# KiCad board EPS.kicad_pcb (continued)
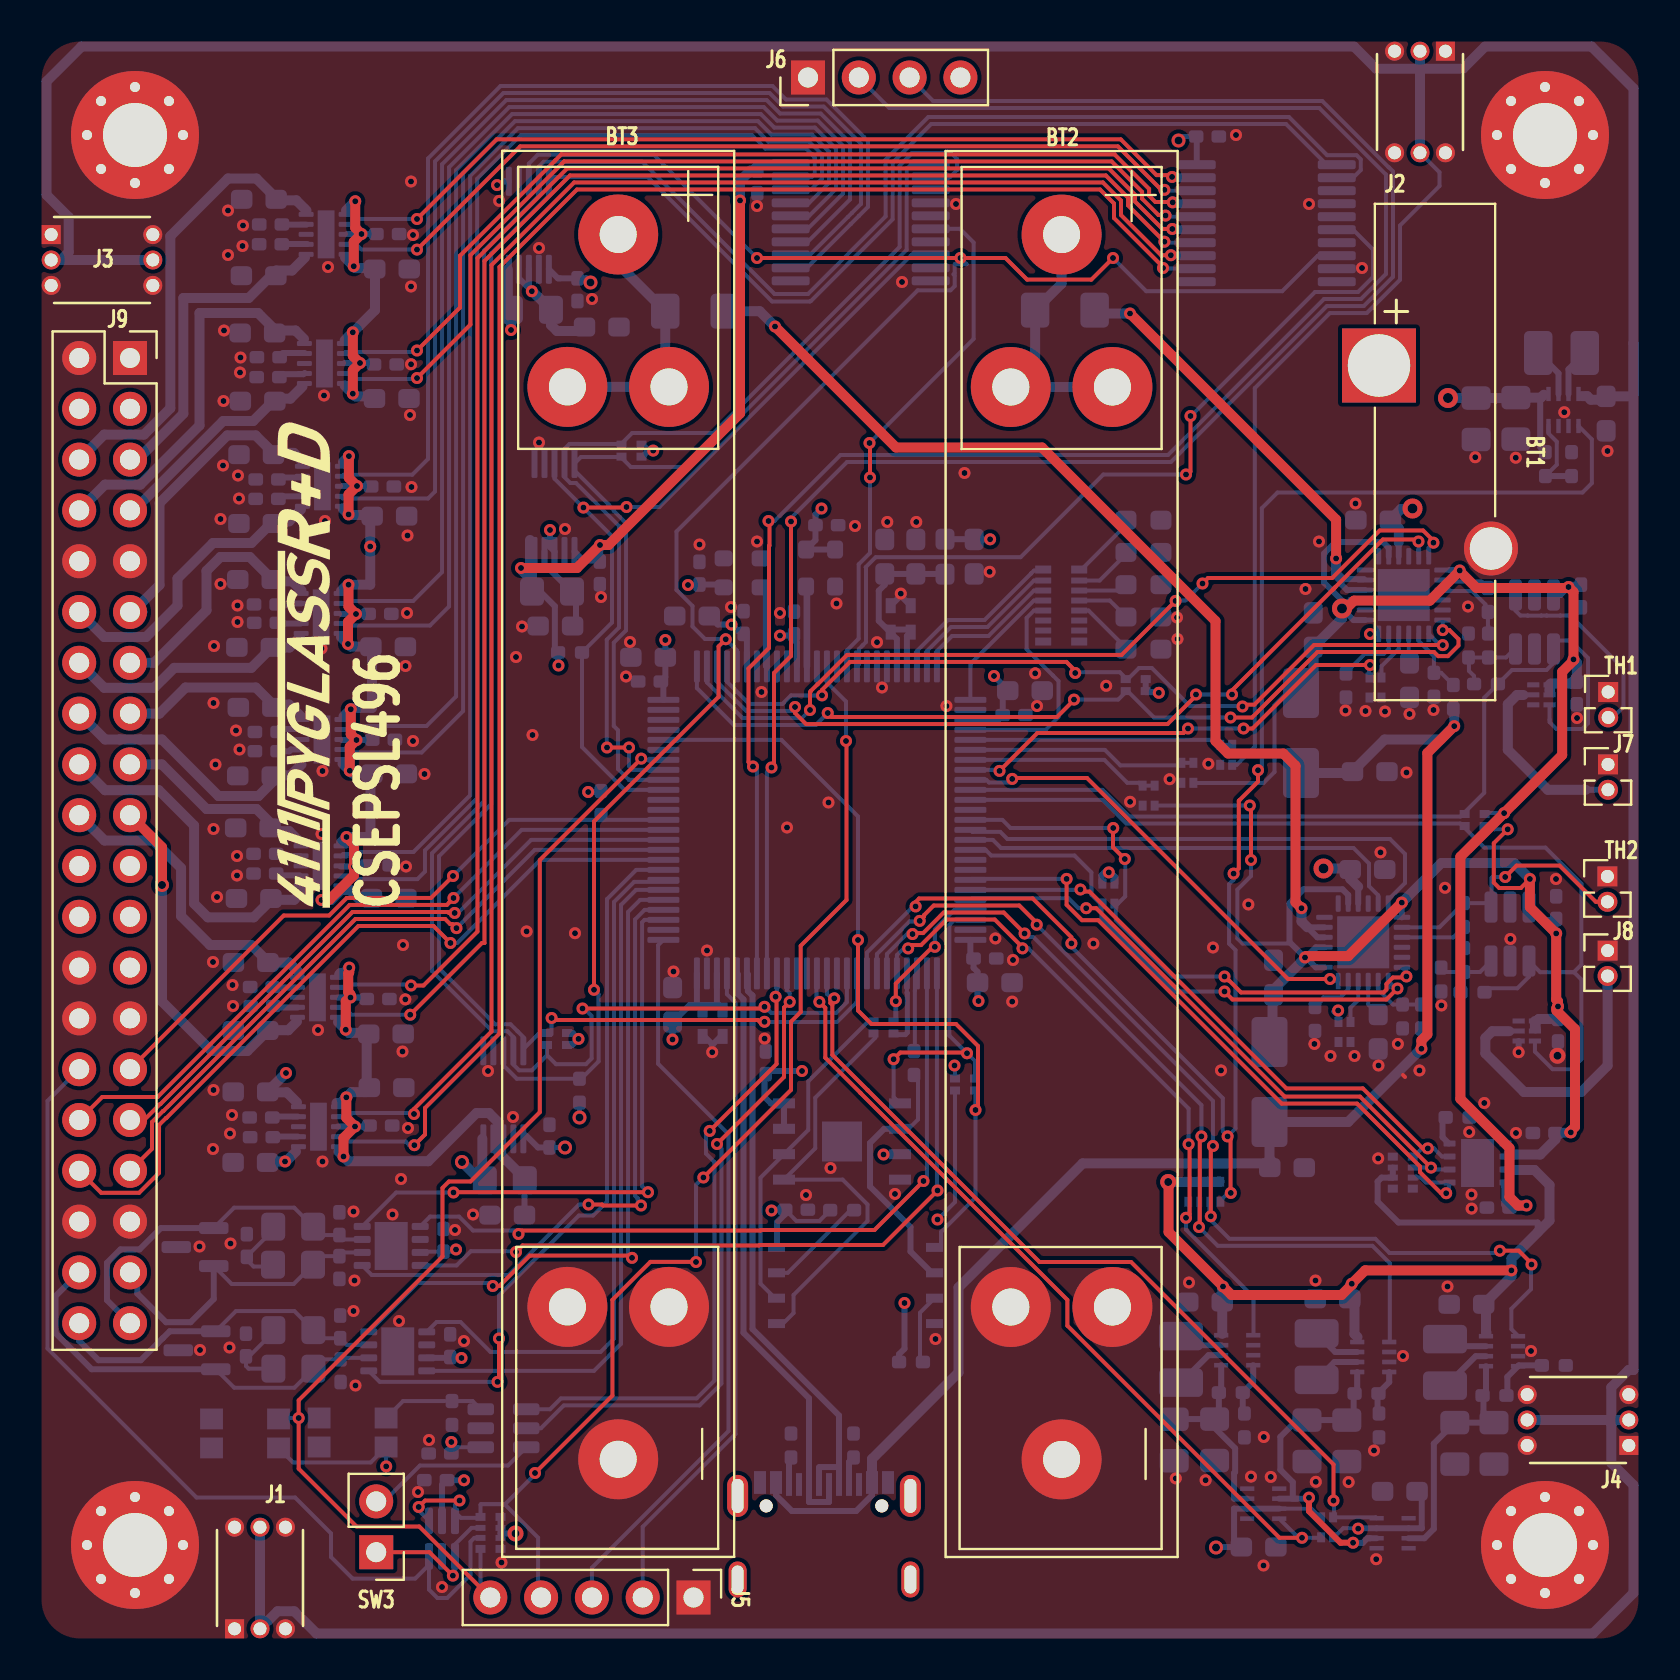
[diagram p0: board, top side]
## Library data of the parts
BT1 = -: Description: Single-cell battery
BT2 BT3 = -: Datasheet: https://www.keyelco.com/product.cfm/product_id/826; Mfr. #: 54; Order: https://www.digikey.com/en/products/detail/keystone-electronics/54/2254090; Manufacturer: Keystone; Part Number: 54
C1 C5 C7 C11 C60 C64 C66 C70 C72 C76 C78 C82 C85 C89 C91 C95 = -: Datasheet: https://search.murata.co.jp/Ceramy/image/img/A01X/G101/ENG/GRM1555C1H221JA01-01.pdf; Description: Unpolarized capacitor; Tolerance: 5; Voltage: 50; Manufacturer: Murata; Part Number: GRM1555C1H221JA01J; Temperature Coefficient: C0G/NP0; ki_fp_filters: C_*
C2 C6 C8 C12 C61 C65 C67 C71 C73 C77 C79 C83 C86 C90 C92 C96 C105 = -: Datasheet: https://search.murata.co.jp/Ceramy/image/img/A01X/G101/ENG/GRM188R61E106KA73-01.pdf; Description: Unpolarized capacitor; Tolerance: 10; Voltage: 25; Manufacturer: Murata; Part Number: GRM188R61E106KA73D; Temperature Coefficient: X5R; ki_fp_filters: C_*
C3 C9 C62 C68 C74 C80 C87 C93 = -: Datasheet: https://search.murata.co.jp/Ceramy/image/img/A01X/G101/ENG/GRM188R61A226ME15-01.pdf; Description: Unpolarized capacitor; Tolerance: 20; Voltage: 10; Manufacturer: Murata; Part Number: GRM188R61A226ME15D; Temperature Coefficient: X5R; ki_fp_filters: C_*
C4 C10 C63 C69 C75 C81 C88 C94 = -: Datasheet: https://search.murata.co.jp/Ceramy/image/img/A01X/G101/ENG/GRM155R61E104KA87-01.pdf; Description: Unpolarized capacitor; Tolerance: 10; Voltage: 25; Manufacturer: Murata; Part Number: GRM155R61E104KA87D; Temperature Coefficient: X5R; ki_fp_filters: C_*
C13-C16 C20 C22 C23 C26 = -: Datasheet: https://search.murata.co.jp/Ceramy/image/img/A01X/G101/ENG/GRM188R61E106KA73-01.pdf; Description: Unpolarized capacitor; Voltage: 25; Manufacturer: Murata; Part Number: GRM188R61E106KA73D; Tolerance: 10; Temperture Coefficient: X5R; ki_fp_filters: C_*
C17 C18 C21 C24 C25 = -: Datasheet: https://search.murata.co.jp/Ceramy/image/img/A01X/G101/ENG/GRM155R61E104KA87-01.pdf; Description: Unpolarized capacitor, small symbol; Voltage: 25; Manufacturer: Murata; Part Number: GRM155R61E104KA87D; Tolerance: 10; Temperture Coefficient: X5R; ki_fp_filters: C_*
C19 = -: Datasheet: https://search.murata.co.jp/Ceramy/image/img/A01X/G101/ENG/GRM155R61E104KA87-01.pdf; Description: Unpolarized capacitor; Voltage: 25; Manufacturer: Murata; Part Number: GRM155R61E104KA87D; Tolerance: 10; Temperature Coefficient: X5R; ki_fp_filters: C_*
C27 C28 C35 C39 C97 C103 C104 C108 = -: Datasheet: https://search.murata.co.jp/Ceramy/image/img/A01X/G101/ENG/GRM155R61E104KA87-01.pdf; Description: Unpolarized capacitor; Voltage: 25; Tolerance: 10; Manufacturer: Murata; Part Number: GRM155R61E104KA87D; Temperature Coefficient: X5R; ki_fp_filters: C_*
C29 C30 C40 C41 C43 C44 C109 C110 = -: Datasheet: https://mm.digikey.com/Volume0/opasdata/d220001/medias/docus/6223/Chip_Multilayer_CC_CAT_Rev21.pdf; Description: Unpolarized capacitor; Tolerance: 20; Voltage: 10; Temperture Coefficient: X5R; Manufacturer: Murata; Part Number: GRM21BR61A476ME15K; ki_fp_filters: C_*
C31 C42 C45 C111 = -: Datasheet: https://search.murata.co.jp/Ceramy/image/img/A01X/G101/ENG/GRM188R61A226ME15-01.pdf; Description: Unpolarized capacitor; Tolerance: 20; Voltage: 10; Temperture Coefficient: X5R; Manufacturer: Murata; Part Number: GRM188R61A226ME15D; ki_fp_filters: C_*
C32 C34 C36 C38 = -: Datasheet: https://search.murata.co.jp/Ceramy/image/img/A01X/G101/ENG/GRM1555C1H101JA01-01.pdf; Description: Unpolarized capacitor; Tolerance: 5; Voltage: 50; Manufacturer: Murata; Part Number: GRM1555C1H101JA01D; Temperature Coefficient: C0G/NP0; ki_fp_filters: C_*
C33 C37 = -: Datasheet: https://search.murata.co.jp/Ceramy/image/img/A01X/G101/ENG/GRM155R61H472KA01-01.pdf; Description: Unpolarized capacitor; Voltage: 50; Tolerance: 10; Manufacturer: Murata; Part Number: GRM155R61H472KA01D; Temperature Coefficient: X5R; ki_fp_filters: C_*
C46-C53 = -: Datasheet: https://search.murata.co.jp/Ceramy/image/img/A01X/G101/ENG/GRT188R61E475KE13-01.pdf; Description: Unpolarized capacitor; Voltage: 25; Manufacturer: Murata; Part Number: GRT188R61E475KE13D; Tolerance: 10; Temperture Coefficient: X5R; ki_fp_filters: C_*
C54-C57 = -: Datasheet: https://search.murata.co.jp/Ceramy/image/img/A01X/G101/ENG/GRM155R61E104KA87-01.pdf; Description: Unpolarized capacitor; Voltage: 25; Manufacturer: Murata; Part Number: GRM155R61E104KA87D; Tolerance: 10; Temperture Coefficient: X5R; ki_fp_filters: C_*
C58 C59 = -: Datasheet: https://search.murata.co.jp/Ceramy/image/img/A01X/G101/ENG/GRM155R61E104KA87-01.pdf; Description: Unpolarized capacitor; Manufacturer: Murata; Part Number: GRM155R61E104KA87D; Voltage: 25; Tolerance: 10; Temperture Coefficient: X5R; ki_fp_filters: C_*
C84 = -: Datasheet: https://search.murata.co.jp/Ceramy/image/img/A01X/G101/ENG/GRM155R61E104KA87-01.pdf; Description: Unpolarized capacitor; Voltage: 25; Tolerance: 10; Temperture Coefficient: X5R; Manufacturer: Murata; Part Number: GRM155R61E104KA87D; MANUFACTURER: Murata; PARTREV: GRM155R61E104KA87D; ki_fp_filters: C_*
C98-C100 = -: Datasheet: https://search.murata.co.jp/Ceramy/image/img/A01X/G101/ENG/GRM155R61E104KA87-01.pdf; Description: Unpolarized capacitor; Voltage: 25; Tolerance: 10; Temperture Coefficient: X5R; Manufacturer: Murata; Part Number: GRM155R61E104KA87D; ki_fp_filters: C_*
C101 C102 = -: Datasheet: https://search.murata.co.jp/Ceramy/image/img/A01X/G101/ENG/GRM188R61E106KA73-01.pdf; Description: Unpolarized capacitor; Tolerance: 10; Voltage: 25; Temperture Coefficient: X5R; Manufacturer: Murata; Part Number: GRM188R61E106KA73D; ki_fp_filters: C_*
C106 C107 = -: Datasheet: https://search.murata.co.jp/Ceramy/image/img/A01X/G101/ENG/GRM188R61E106KA73-01.pdf; Description: Unpolarized capacitor; Manufacturer: Murata; Part Number: GRM188R61E106KA73D; Tolerance: 10; Voltage: 25; Temperture Coefficient: X5R; ki_fp_filters: C_*
CN1 CN2 = -: Datasheet: https://datasheets.kyocera-avx.com/CapArray.pdf; Description: Capacitor Arrays & Networks 0508 X7R 2CAPS; Height: 0.94; Manufacturer: Kypdera; Part Number: W2A25C104K4T2A; Temperture Coefficient: X7R; Tolerance: 10; Voltage: 50
D1 = -: Datasheet: https://optoelectronics.liteon.com/upload/download/DS22-2000-223/LTST-C191KRKT.PDF; Description: Light emitting diode; Voltage: 2; Color: Red; Manufacturer: Lite-On; Part Number: LTST-C191KRKT; ki_fp_filters: LED* LED_SMD:* LED_THT:*
D2 = -: Datasheet: https://optoelectronics.liteon.com/upload/download/DS22-2000-228/LTST-C191KGKT.PDF; Description: Light emitting diode; Voltage: 2; Color: Green; Manufacturer: Lite-On; Part Number: LTST-C191KGKT; ki_fp_filters: LED* LED_SMD:* LED_THT:*
D3-D5 = -: Datasheet: https://optoelectronics.liteon.com/upload/download/DS22-2000-224/LTST-C191KSKT.PDF; Description: Light emitting diode; Voltage: 2; Color: Yellow; Manufacturer: Lite-On; Part Number: LTST-C191KSKT; ki_fp_filters: LED* LED_SMD:* LED_THT:*
D6 D7 = -: Datasheet: http://www.onsemi.com/pub_link/Collateral/NUP2105L-D.PDF; Description: Dual TVS diode; Amps: 8; Voltage: 24; Manufacturer: onsemi; ki_fp_filters: SOT?23*
D8 D9 = -: Datasheet: https://www.onsemi.com/pub/Collateral/MBRA210LT3-D.PDF; Amps: 2; Manufacturer: onsemi; Voltage: 10; ki_fp_filters: TO-???* *_Diode_* *SingleDiode* D_*
F1 F2 = -: Datasheet: https://www.littelfuse.com/media?resourcetype=datasheets&itemid=b786faf0-de16-4763-9d22-6b8080943caf&filename=low-rho-datasheet-update; Amps: 2.82; Manufacturer: Littlefuse; Part Number: 1206L380SLTHYR; Voltage: 6; ki_fp_filters: *polyfuse* *PTC*
FB1 = -: Datasheet: https://www.murata.com/en-us/products/productdata/8796738650142/ENFA0003.pdf; Description: Ferrite bead; Amps: 2; Manufacturer: Murata; Part Number: BLM18PG121SN1D; ki_fp_filters: Inductor_* L_* *Ferrite*
H1-H4 = -: ki_fp_filters: MountingHole*Pad*
J1-J4 = -: Datasheet: https://cdn.harwin.com/pdfs/M50-320.pdf; Description: Generic connector, double row, 02x03, odd/even pin numbering scheme (row 1 odd numbers, row 2 even numbers), script generated (kicad-library-utils/schlib/autogen/connector/); Manufacturer: Harwin; Part Number: M50-3200345; ki_fp_filters: Connector*:*_2x??_*
J5 = -: Description: Generic connector, single row, 01x05, script generated; Manufacturer: generic; Part Number: vertical; ki_fp_filters: Connector*:*_1x??_*
J6 = -: Description: Generic connector, single row, 01x04, script generated; Manufacturer: generic; Part Number: vertical; ki_fp_filters: Connector*:*_1x??_*
J7 J8 = -: Manufacturer: generic; Part Number: vertical; ki_fp_filters: Connector*:*_1x??_*
J9 = -: Datasheet: https://cdn.amphenol-cs.com/media/wysiwyg/files/drawing/10153301.pdf; Description: 40 Connector Stackthrough, (PC/104) Through Hole Black PC/104; Manufacturer: Amphenol; Part Number: 10153301-20111LF; ki_fp_filters: Connector*:*_2x??_*
J10 = -: Datasheet: https://cdn.amphenol-cs.com/media/wysiwyg/files/documentation/datasheet/inputoutput/io_usb_type_c_connector_cable.pdf; Manufacturer: Amphenol
L1-L4 = -: Datasheet: https://www.murata.com/~/media/webrenewal/products/inductor/chip/tokoproducts/wirewoundmetalalloychiptype/m_dfe252012p.ashx; Description: Inductor; Amps: 3.2; Manufacturer: Murata; Part Number: DFE252012P-1R0M=P2; ki_fp_filters: Choke_* *Coil* Inductor_* L_*
R1 = -: Datasheet: https://www.yageo.com/upload/media/product/app/datasheet/rchip/pyu-rt_1-to-0.01_rohs_l.pdf; Description: Resistor; Manufacturer: YAGEO; Part Number: RT0402BRD07806KL; Tolerance: 0.1; ki_fp_filters: R_*
R2 = -: Datasheet: https://www.yageo.com/upload/media/product/products/datasheet/rchip/PYu-RC_Group_51_RoHS_L_12.pdf; Description: Resistor; Manufacturer: YAGEO; Part Number: RC0402FR-07330KL; Tolerance: 1; ki_fp_filters: R_*
R3 = -: Datasheet: https://www.yageo.com/upload/media/product/products/datasheet/rchip/PYu-RC_Group_51_RoHS_L_12.pdf; Description: Resistor; Manufacturer: YAGEO; Part Number: RC0402FR-0722KL; Tolerance: 1; ki_fp_filters: R_*
R4 = -: Datasheet: https://www.yageo.com/upload/media/product/products/datasheet/rchip/PYu-RC_Group_51_RoHS_L_12.pdf; Description: Resistor; Manufacturer: YAGEO; Part Number: RC0402FR-0722RL; Tolerance: 1; ki_fp_filters: R_*
R5 R10 R11 R39 = -: Datasheet: https://www.yageo.com/upload/media/product/products/datasheet/rchip/PYu-RC_Group_51_RoHS_L_12.pdf; Description: Resistor; Tolerance: 1; Manufacturer: YAGEO; Part Number: RC0402FR-0791KL; ki_fp_filters: R_*
R6-R9 = -: Datasheet: https://www.yageo.com/upload/media/product/products/datasheet/rchip/PYu-RC_Group_51_RoHS_L_12.pdf; Description: Resistor; Tolerance: 1; Manufacturer: YAGEO; Part Number: RC0805FR-0760R4L; ki_fp_filters: R_*
R12 R15 = -: Datasheet: https://www.yageo.com/upload/media/product/products/datasheet/rchip/PYu-RC_Group_51_RoHS_L_12.pdf; Description: Resistor; Manufacturer: YAGEO; Part Number: RC0402FR-0726K7L; Tolerance: 1; ki_fp_filters: R_*
R13 R16 R21 R25 = -: Datasheet: https://www.yageo.com/upload/media/product/products/datasheet/rchip/PYu-RC_Group_51_RoHS_L_12.pdf; Description: Resistor; Manufacturer: YAGEO; Part Number: RC0402FR-0710KL; Tolerance: 1; ki_fp_filters: R_*
R14 R17 = -: Datasheet: https://www.yageo.com/upload/media/product/products/datasheet/rchip/PYu-RC_Group_51_RoHS_L_12.pdf; Description: Resistor; Manufacturer: YAGEO; Part Number: RC0402FR-071ML; Tolerance: 1; ki_fp_filters: R_*
R18 R22 = -: Description: Resistor; Manufacturer: YAGEO; ki_fp_filters: R_*
R19 R23 = -: Datasheet: https://www.yageo.com/upload/media/product/products/datasheet/rchip/PYu-RC_Group_51_RoHS_L_12.pdf; Description: Resistor; Manufacturer: YAGEO; Part Number: RC0402FR-07100KL; Tolerance: 1; ki_fp_filters: R_*
R20 R24 = -: Datasheet: https://www.yageo.com/upload/media/product/products/datasheet/rchip/PYu-RC_Group_51_RoHS_L_12.pdf; Description: Resistor; Manufacturer: YAGEO; Part Number: RC0402FR-07280KL; Tolerance: 1; ki_fp_filters: R_*
R26 = -: Datasheet: https://www.yageo.com/upload/media/product/products/datasheet/rchip/PYu-RC_Group_51_RoHS_L_12.pdf; Description: Resistor; Manufacturer: YAGEO; Part Number: RC0402FR-07330RL; Tolerance: 1; ki_fp_filters: R_*
R27 R28 = -: Datasheet: https://www.yageo.com/upload/media/product/products/datasheet/rchip/PYu-RC_Group_51_RoHS_L_12.pdf; Description: Resistor; Note: pullup/pulldown; Tolerance: 1; MANUFACTURER: YAGEO; PARTREV: RC0402FR-07100KL; ki_fp_filters: R_*
R29 R30 = -: Datasheet: https://www.yageo.com/upload/media/product/products/datasheet/rchip/PYu-RC_Group_51_RoHS_L_12.pdf; Description: Resistor; Part Number: RC0402FR-075K1L; Tolerance: 1; Manufacturer: YAGEO; ki_fp_filters: R_*
R31 R34 = -: Datasheet: https://www.yageo.com/upload/media/product/products/datasheet/rchip/PYu-RC_Group_51_RoHS_L_12.pdf; Description: Resistor; Tolerance: 1; Manufacturer: YAGEO; Part Number: RC0402FR-07100KL; ki_fp_filters: R_*
R32 R33 R35 = -: Datasheet: https://mm.digikey.com/Volume0/opasdata/d220001/medias/docus/5343/PE_Series_DS.pdf; Description: Resistor; Tolerance: 1; Manufacturer: YAGEO; Part Number: PE0805FRE470R01Z; ki_fp_filters: R_*
R36 R38 = -: Datasheet: https://www.yageo.com/upload/media/product/products/datasheet/rchip/PYu-RC_Group_51_RoHS_L_12.pdf; Description: Resistor; Manufacturer: YAGEO; Part Number: RC0402FR-07511KL; Tolerance: 1; ki_fp_filters: R_*
R37 = -: Datasheet: https://www.yageo.com/upload/media/product/products/datasheet/rchip/PYu-RC_Group_51_RoHS_L_12.pdf; Description: Resistor; Manufacturer: YAGEO; Part Number: RC0402FR-07490KL; Tolerance: 1; ki_fp_filters: R_*
RN1-RN4 RN6 RN7 RN13 = -: Datasheet: https://industrial.panasonic.com/cdbs/www-data/pdf/AOC0000/AOC0000C14.pdf; Description: 2 resistor network, parallel topology; Manufacturer: Panasonic; Part Number: EXB-24V104JX; ki_fp_filters: DIP* SOIC* R*Array*Concave* R*Array*Convex*
RN5 RN8 RN16 = -: Datasheet: https://industrial.panasonic.com/cdbs/www-data/pdf/AOC0000/AOC0000C14.pdf; Description: 4 resistor network, parallel topology; Manufacturer: Panasonic; Part Number: EXB-28V104JX; ki_fp_filters: DIP* SOIC* R*Array*Concave* R*Array*Convex* MSOP*
RN9 RN10 RN12 = -: Datasheet: https://industrial.panasonic.com/cdbs/www-data/pdf/AOC0000/AOC0000C14.pdf; Description: 2 resistor network, parallel topology; Manufacturer: Panasonic; Part Number: EXB-24V562JX; ki_fp_filters: DIP* SOIC* R*Array*Concave* R*Array*Convex*
RN11 = -: Datasheet: https://industrial.panasonic.com/cdbs/www-data/pdf/AOC0000/AOC0000C14.pdf; Description: 8 resistor network, parallel topology; Tolerance: 5; Manufacturer: Panasonic; Part Number: EXB-2HV102JV; ki_fp_filters: RES_YC248_4X1P6_YAG RES_YC248_4X1P6_YAG-M RES_YC248_4X1P6_YAG-L
RN14 RN15 RN17 = -: Datasheet: https://industrial.panasonic.com/cdbs/www-data/pdf/AOC0000/AOC0000C14.pdf; Description: 2 resistor network, parallel topology; Manufacturer: Panasonic; Part Number: EXB-24V103JX; ki_fp_filters: DIP* SOIC* R*Array*Concave* R*Array*Convex*
SW1 SW2 = -: Datasheet: https://www3.panasonic.biz/ac/cdn/e/control/switch/light-touch/catalog/sw_lt_eng_3529s.pdf; Description: SWITCH TACTILE SPST-NO 0.02A 15V; Manufacturer: Panasonic; ki_fp_filters: EVPAA/EVP2A_PAN
SW3 = -: Manufacturer: generic; Part Number: vertical; ki_fp_filters: SW?DIP?x1*
TH1 TH2 = -: Manufacturer: generic; Part Number: vertical; ki_fp_filters: R_* RV_*
U1 U2 U18-U21 U23 U24 = -: Datasheet: https://www.ti.com/lit/ds/symlink/tps22968-q1.pdf?HQS=dis-dk-null-digikeymode-dsf-pf-null-wwe&ts=1746990618053&ref_url=https%253A%252F%252Fwww.ti.com%252Fgeneral%252Fdocs%252Fsuppproductinfo.tsp%253FdistId%253D10%2526gotoUrl%253Dhttps%253A%252F%252Fwww.ti.com%252Flit%252Fgpn%252Ftps22968-q1; Description: IC PWR SWITCH N-CHAN 1:1 10WSON; Manufacturer: TI; ki_fp_filters: DPU14_0P90X2P50_TEX
U3 = -: Datasheet: https://www.ti.com/general/docs/suppproductinfo.tsp?distId=10&gotoUrl=https%3A%2F%2Fwww.ti.com%2Flit%2Fgpn%2Ftpl5010; Description: IC OSC PROG TIMER TSOT23-6; Manufacturer: TI; Part Number: TPL5010DDCR; ki_fp_filters: SOT?23*
U4 = -: Datasheet: https://www.st.com/resource/en/datasheet/stm32l496vg.pdf; Description: STMicroelectronics Arm Cortex-M4 MCU, 1024KB flash, 320KB RAM, 80 MHz, 1.71-3.6V, 83 GPIO, LQFP100; Manufacturer: STM; Part Number: STM32L496VGT6; ki_fp_filters: LQFP*14x14mm*P0.5mm*
U5 = -: Datasheet: https://media.digikey.com/pdf/Data%20Sheets/EverSpin%20Technologies/MR25H40_Datasheet_Rev6.pdf; Description: MRAM; Manufacturer: Everspin; Part Number: MR25H10CDFR; ki_fp_filters: DFN*6x5mm*P1.27mm*
U6 U9 U10 U33 = -: Datasheet: https://www.ti.com/lit/ds/symlink/tps631000.pdf; Description: Non-Isolated PoL Module DC DC Converter 1 Output 1.2 ~ 5.3V 2A 1.6V - 5.5V Input; Manufacturer: TI; ki_fp_filters: TPS631000DRLR_TEX TPS631000DRLR_TEX-M TPS631000DRLR_TEX-L
U7 U8 = -: Datasheet: https://www.ti.com/lit/ds/symlink/tcan3413.pdf?ts=1714741551942&ref_url=https%253A%252F%252Fwww.ti.com%252Fproduct%252FTCAN3413; Description: High-Speed CAN Transceiver, shutdown and standby modes, DFN-8-1EP; Manufacturer: TI; Part Number: TCAN3414DRBR; ki_fp_filters: DFN*1EP*3x3mm*P0.65mm* HVSON*
U11 U12 = -: Datasheet: https://www.analog.com/media/en/technical-documentation/data-sheets/4066fc.pdf; Manufacturer: Analogue Devices; Part Number: LTC4066EUF-1#PBF
U13 U15 = -: Datasheet: https://www.ti.com/lit/ds/symlink/tps22995h-q1.pdf; Manufacturer: TI; Part Number: TPS22995RZGR
U14 U16 = -: Datasheet: http://ww1.microchip.com/downloads/en/DeviceDoc/22269B.pdf; Manufacturer: Mictochip; Part Number: MCP65R46T-1202E/CHY; ki_fp_filters: SOT?23*
U17 = -: Datasheet: https://www.ti.com/lit/ds/symlink/tps2114.pdf?HQS=dis-dk-null-digikeymode-dsf-pf-null-wwe&ts=1727317676437&ref_url=https%253A%252F%252Fwww.ti.com%252Fgeneral%252Fdocs%252Fsuppproductinfo.tsp%253FdistId%253D10%2526gotoUrl%253Dhttps%253A%252F%252Fwww.ti.com%252Flit%252Fgpn%252Ftps2114; Description: 2.8-5.5-V, 84-m?, 1.25-A, power mux with manual, automatic switchover and status output 8-SON -40 to 85; Manufacturer: TI
U22 = -: Datasheet: https://www.farnell.com/datasheets/3151403.pdf; Description: NAND Flash SLC 4G 4GX1 UPDFN IT M70A; Note: 4Gbit; Manufacturer: Micron; MANUFACTURER: Mircon Technology; Height: 0.65; Mouser Part Number: 340-359563; Mouser Price/Stock: https://www.mouser.co.uk/ProductDetail/Micron/MT29F4G01ABAFDWB-ITF?qs=wUXugUrL1qwrjb7To7JPbA%3D%3D; Manufacturer_Name: Micron; Manufacturer_Part_Number: MT29F4G01ABAFDWB-IT:F
U25 U28 = -: Datasheet: https://ww1.microchip.com/downloads/en/DeviceDoc/MCP23008-MCP23S08-Data-Sheet-20001919F.pdf; Description: I2C GPIO expander 8x; Manufacturer: Microchip; ki_fp_filters: SSOP20_MC_MCH SSOP20_MC_MCH-M SSOP20_MC_MCH-L
U26 U27 = -: Datasheet: https://www.ti.com/general/docs/suppproductinfo.tsp?distId=10&gotoUrl=https%3A%2F%2Fwww.ti.com%2Flit%2Fgpn%2Fina226; Description: I2C voltage, current, power meter; Manufacturer: TI
U29 = -: Datasheet: http://www.ti.com/lit/ds/symlink/ina226.pdf; Description: IC CURRENT MONITOR 0.02% 10VSSOP; Manufacturer: TI; Part Number: INA226AIDGSR
U30 U31 = -: Datasheet: https://www.ti.com/lit/ds/symlink/lm66200.pdf; Manufacturer: TI; ki_fp_filters: SOT-5X3_DRL_TEX SOT-5X3_DRL_TEX-M SOT-5X3_DRL_TEX-L
U32 = -: Datasheet: https://www.ti.com/lit/ds/sces308l/sces308l.pdf; Description: Noninverting buffer; Manufacturer: TI; Part Number: SN74LVC2G07DCKR
X1 = -: Datasheet: https://ecsxtal.com/store/pdf/ECS-327MVATX.pdf; Description: Oscillator; Manufacturer: ECS; Part Number: ECS-327MVATX-2-CN-TR3; Tolerance: 25ppm; ki_fp_filters: TG2520_EPS
X2 = -: Datasheet: https://ecsxtal.com/store/pdf/ECS-2520MVLC.pdf; Description: Oscillator; Manufacturer: ECS; Part Number: ECS-2520MVLC-100-CN-TR; Tolerance: 25ppm

## Footprints (pads in the part's own frame, mm; a bottom-side part is the same pattern mirrored in y, then rotated)
AMPHENOL_10155435-00011LF
  round 0.65 hole 0.65 unplated: (-2.89,3.68) (2.89,3.68)
  rect 0.6x1.14 smd: A1_B12(-3.2,4.75) A4_B9(-2.4,4.75) B1_A12(3.2,4.75) B4_A9(2.4,4.75)
  rect 0.3x1.14 smd: A5(-1.25,4.75) A6(-0.25,4.75) A7(0.25,4.75) A8(1.25,4.75) B5(1.75,4.75) B6(0.75,4.75) B7(-0.75,4.75) B8(-1.75,4.75)
  oval 1.05x2.1 hole 0.6x1.7: SH1(-4.32,4.18) SH2(4.32,4.18)
  oval 0.9x1.8 hole 0.6x1.4: SH3(-4.32,0) SH4(4.32,0)
Battery_Panasonic_CR2450-VAN_Vertical_CircularHoles
  rect 3.7x3.7 hole 3.12: 1(0,0)
  round 2.7 hole 2.12: 2(9.15,5.6)
BatteryHolder_Keystone_54_v2_1x18650
  round 4 hole 1.85: 1(-30.62,0) 1(-23,2.54) 1(-23,-2.54) 2(23,2.54) 2(23,-2.54) 2(30.62,0)
C_0402_1005Metric_Pad0.74x0.62mm_HandSolder
  rrect 0.735x0.62 smd: 1(-0.568,0) 2(0.568,0)
C_0603_1608Metric_Pad1.08x0.95mm_HandSolder
  rrect 1.075x0.95 smd: 1(-0.863,0) 2(0.863,0)
C_0805_2012Metric_Pad1.18x1.45mm_HandSolder
  rrect 1.175x1.45 smd: 1(-1.038,0) 2(1.038,0)
D_SMA
  rrect 2.5x1.8 smd: 1(-2,0) 2(2,0)
DFN-8-1EP_6x5mm_P1.27mm_EP2x2mm
  rect 0.8x0.8 smd: (-0.5,-0.5) (-0.5,0.5) (0.5,-0.5) (0.5,0.5)
  rect 1.1x0.5 smd: 1(-2.9,1.905) 2(-2.9,0.635) 3(-2.9,-0.635) 4(-2.9,-1.905) 5(2.9,-1.905) 6(2.9,-0.635) 7(2.9,0.635) 8(2.9,1.905)
  rect 2x2 smd: 9(0,0)
EVP602AA
  rect 1.143x1.041 smd: 1(-1.675,0.725) 2(-1.675,-0.725) 3(1.675,-0.725) 4(1.675,0.725)
Fuse_1206_3216Metric_Pad1.42x1.75mm_HandSolder
  rrect 1.425x1.75 smd: 1(-1.488,0) 2(1.488,0)
HARWIN_M50-3200345
  rect 0.95x0.95 hole 0.65: 1(-1.27,-2.54)
  round 0.95 hole 0.65: 2(-1.27,2.54) 3(0,-2.54) 4(0,2.54) 5(1.27,-2.54) 6(1.27,2.54)
L_0603_1608Metric_Pad1.05x0.95mm_HandSolder
  rrect 1.05x0.95 smd: 1(-0.875,0) 2(0.875,0)
L_1008_2520Metric_Pad1.43x2.20mm_HandSolder
  rrect 1.425x2.2 smd: 1(-1.163,0) 2(1.163,0)
LED_0603_1608Metric_Pad1.05x0.95mm_HandSolder
  rrect 1.05x0.95 smd: 1(-0.875,0) 2(0.875,0)
LQFP-100_14x14mm_P0.5mm
  rrect 1.6x0.3 smd: 1(-7.675,6) 2(-7.675,5.5) 3(-7.675,5) 4(-7.675,4.5) 5(-7.675,4) 6(-7.675,3.5) 7(-7.675,3) 8(-7.675,2.5) 9(-7.675,2) 10(-7.675,1.5) 11(-7.675,1) 12(-7.675,0.5) 13(-7.675,0) 14(-7.675,-0.5) 15(-7.675,-1) 16(-7.675,-1.5) 17(-7.675,-2) 18(-7.675,-2.5) 19(-7.675,-3) 20(-7.675,-3.5) 21(-7.675,-4) 22(-7.675,-4.5) 23(-7.675,-5) 24(-7.675,-5.5) 25(-7.675,-6) 51(7.675,-6) 52(7.675,-5.5) 53(7.675,-5) 54(7.675,-4.5) 55(7.675,-4) 56(7.675,-3.5) 57(7.675,-3) 58(7.675,-2.5) 59(7.675,-2) 60(7.675,-1.5) 61(7.675,-1) 62(7.675,-0.5) 63(7.675,0) 64(7.675,0.5) 65(7.675,1) 66(7.675,1.5) 67(7.675,2) 68(7.675,2.5) 69(7.675,3) 70(7.675,3.5) 71(7.675,4) 72(7.675,4.5) 73(7.675,5) 74(7.675,5.5) 75(7.675,6)
  rrect 0.3x1.6 smd: 26(-6,-7.675) 27(-5.5,-7.675) 28(-5,-7.675) 29(-4.5,-7.675) 30(-4,-7.675) 31(-3.5,-7.675) 32(-3,-7.675) 33(-2.5,-7.675) 34(-2,-7.675) 35(-1.5,-7.675) 36(-1,-7.675) 37(-0.5,-7.675) 38(0,-7.675) 39(0.5,-7.675) 40(1,-7.675) 41(1.5,-7.675) 42(2,-7.675) 43(2.5,-7.675) 44(3,-7.675) 45(3.5,-7.675) 46(4,-7.675) 47(4.5,-7.675) 48(5,-7.675) 49(5.5,-7.675) 50(6,-7.675) 76(6,7.675) 77(5.5,7.675) 78(5,7.675) 79(4.5,7.675) 80(4,7.675) 81(3.5,7.675) 82(3,7.675) 83(2.5,7.675) 84(2,7.675) 85(1.5,7.675) 86(1,7.675) 87(0.5,7.675) 88(0,7.675) 89(-0.5,7.675) 90(-1,7.675) 91(-1.5,7.675) 92(-2,7.675) 93(-2.5,7.675) 94(-3,7.675) 95(-3.5,7.675) 96(-4,7.675) 97(-4.5,7.675) 98(-5,7.675) 99(-5.5,7.675) 100(-6,7.675)
MountingHole_3.2mm_M3_Pad_Via
  round 0.8 hole 0.5: 1(-2.4,0) 1(-1.697,1.697) 1(-1.697,-1.697) 1(0,2.4) 1(0,-2.4) 1(1.697,1.697) 1(1.697,-1.697) 1(2.4,0)
  round 6.4 hole 3.2: 1(0,0)
Oscillator_SMD_ECS_2520MV-xxx-xx-4Pin_2.5x2.0mm
  rrect 0.8x0.9 smd: 1(-0.725,0.925) 2(-0.725,-0.925) 3(0.725,-0.925) 4(0.725,0.925)
PinHeader_1x02_P1.27mm_Vertical
  rect 1x1 hole 0.65: 1(0,0)
  round 1 hole 0.65: 2(0,-1.27)
PinHeader_1x02_P2.54mm_Vertical
  rect 1.7x1.7 hole 1: 1(0,0)
  round 1.7 hole 1: 2(0,-2.54)
PinHeader_1x04_P2.54mm_Vertical
  rect 1.7x1.7 hole 1: 1(0,0)
  round 1.7 hole 1: 2(0,-2.54) 3(0,-5.08) 4(0,-7.62)
PinHeader_1x05_P2.54mm_Vertical
  rect 1.7x1.7 hole 1: 1(0,0)
  round 1.7 hole 1: 2(0,-2.54) 3(0,-5.08) 4(0,-7.62) 5(0,-10.16)
PinSocket_2x20_P2.54mm_Vertical
  rect 1.7x1.7 hole 1: 1(0,0)
  round 1.7 hole 1: 2(-2.54,0) 3(0,-2.54) 4(-2.54,-2.54) 5(0,-5.08) 6(-2.54,-5.08) 7(0,-7.62) 8(-2.54,-7.62) 9(0,-10.16) 10(-2.54,-10.16) 11(0,-12.7) 12(-2.54,-12.7) 13(0,-15.24) 14(-2.54,-15.24) 15(0,-17.78) 16(-2.54,-17.78) 17(0,-20.32) 18(-2.54,-20.32) 19(0,-22.86) 20(-2.54,-22.86) 21(0,-25.4) 22(-2.54,-25.4) 23(0,-27.94) 24(-2.54,-27.94) 25(0,-30.48) 26(-2.54,-30.48) 27(0,-33.02) 28(-2.54,-33.02) 29(0,-35.56) 30(-2.54,-35.56) 31(0,-38.1) 32(-2.54,-38.1) 33(0,-40.64) 34(-2.54,-40.64) 35(0,-43.18) 36(-2.54,-43.18) 37(0,-45.72) 38(-2.54,-45.72) 39(0,-48.26) 40(-2.54,-48.26)
QFN-24-1EP_4x4mm_P0.5mm_EP2.6x2.6mm
  rrect 1.05x1.05 smd: (-0.65,-0.65) (-0.65,0.65) (0.65,-0.65) (0.65,0.65)
  rrect 0.825x0.25 smd: 1(-1.938,1.25) 2(-1.938,0.75) 3(-1.938,0.25) 4(-1.938,-0.25) 5(-1.938,-0.75) 6(-1.938,-1.25) 13(1.938,-1.25) 14(1.938,-0.75) 15(1.938,-0.25) 16(1.938,0.25) 17(1.938,0.75) 18(1.938,1.25)
  rrect 0.25x0.825 smd: 7(-1.25,-1.938) 8(-0.75,-1.938) 9(-0.25,-1.938) 10(0.25,-1.938) 11(0.75,-1.938) 12(1.25,-1.938) 19(1.25,1.938) 20(0.75,1.938) 21(0.25,1.938) 22(-0.25,1.938) 23(-0.75,1.938) 24(-1.25,1.938)
  rect 2.6x2.6 smd: 25(0,0)
R_0402_1005Metric_Pad0.72x0.64mm_HandSolder
  rrect 0.715x0.64 smd: 1(-0.598,0) 2(0.598,0)
R_0805_2012Metric_Pad1.20x1.40mm_HandSolder
  rrect 1.2x1.4 smd: 1(-1,0) 2(1,0)
R_Array_Convex_2x0402_widepads
  rect 0.5x0.4 smd: 1(-0.5,0.3) 2(-0.5,-0.3) 3(0.5,-0.3) 4(0.5,0.3)
R_Array_Convex_4x0402_widepads
  rect 0.5x0.4 smd: 1(-0.5,0.8) 4(-0.5,-0.8) 5(0.5,-0.8) 8(0.5,0.8)
  rect 0.5x0.3 smd: 2(-0.5,0.25) 3(-0.5,-0.25) 6(0.5,-0.25) 7(0.5,0.25)
R_Array_Convex_8x0602_widepads
  rect 0.8x0.4 smd: 1(-0.9,1.8) 8(-0.9,-1.8) 9(0.9,-1.8) 16(0.9,1.8)
  rect 0.8x0.3 smd: 2(-0.9,1.25) 3(-0.9,0.75) 4(-0.9,0.25) 5(-0.9,-0.25) 6(-0.9,-0.75) 7(-0.9,-1.25) 10(0.9,-1.25) 11(0.9,-0.75) 12(0.9,-0.25) 13(0.9,0.25) 14(0.9,0.75) 15(0.9,1.25)
SON65P300X300X100-9N
  rrect 0.6x0.3 smd: 1(-1.4,0.975) 2(-1.4,0.325) 3(-1.4,-0.325) 4(-1.4,-0.975) 5(1.4,-0.975) 6(1.4,-0.325) 7(1.4,0.325) 8(1.4,0.975)
  rect 1.65x2.4 smd: 9(0,0)
SON127P800X600X65-8N
  rect 0.85x0.45 smd: 1(-3.95,1.905) 2(-3.95,0.635) 3(-3.95,-0.635) 4(-3.95,-1.905) 5(3.95,-1.905) 6(3.95,-0.635) 7(3.95,0.635) 8(3.95,1.905)
SOT-5X3_DRL_TEX
  rect 0.711x0.229 smd: 1(-0.8,0.75) 2(-0.8,0.25) 3(-0.8,-0.25) 4(-0.8,-0.75) 5(0.8,-0.75) 6(0.8,-0.25) 7(0.8,0.25) 8(0.8,0.75)
SOT-23
  rrect 1.475x0.6 smd: 1(-0.938,0.95) 2(-0.938,-0.95) 3(0.938,0)
SOT-23-6
  rrect 1.325x0.6 smd: 1(-1.137,0.95) 2(-1.137,0) 3(-1.137,-0.95) 4(1.137,-0.95) 5(1.137,0) 6(1.137,0.95)
SOT-23-6_Handsoldering
  rrect 1.56x0.65 smd: 1(-1.35,0.95) 2(-1.35,0) 3(-1.35,-0.95) 4(1.35,-0.95) 5(1.35,0) 6(1.35,0.95)
SOT-363_SC-70-6
  rrect 1.325x0.4 smd: 1(-0.887,0.65) 2(-0.887,0) 3(-0.887,-0.65) 4(0.887,-0.65) 5(0.887,0) 6(0.887,0.65)
SSOP-20_5.3x7.2mm_P0.65mm
  rrect 1.9x0.45 smd: 1(-3.5,2.925) 2(-3.5,2.275) 3(-3.5,1.625) 4(-3.5,0.975) 5(-3.5,0.325) 6(-3.5,-0.325) 7(-3.5,-0.975) 8(-3.5,-1.625) 9(-3.5,-2.275) 10(-3.5,-2.925) 11(3.5,-2.925) 12(3.5,-2.275) 13(3.5,-1.625) 14(3.5,-0.975) 15(3.5,-0.325) 16(3.5,0.325) 17(3.5,0.975) 18(3.5,1.625) 19(3.5,2.275) 20(3.5,2.925)
TPS631000DRLR_TEX
  rect 0.711x0.229 smd: 1(-0.8,0.75) 2(-0.8,0.25) 3(-0.8,-0.25) 4(-0.8,-0.75) 5(0.8,-0.75) 6(0.8,-0.25) 7(0.8,0.25) 8(0.8,0.75)
VSON-8-1EP_3x3mm_P0.65mm_EP1.65x2.4mm
  rrect 1.33x0.97 smd: (0,-0.6) (0,0.6)
  rrect 0.85x0.35 smd: 1(-1.45,0.975) 2(-1.45,0.325) 3(-1.45,-0.325) 4(-1.45,-0.975) 5(1.45,-0.975) 6(1.45,-0.325) 7(1.45,0.325) 8(1.45,0.975)
  rect 1.65x2.4 smd: 9(0,0)
VSSOP-10_3x3mm_P0.5mm
  rrect 1.45x0.3 smd: 1(-2.2,1) 2(-2.2,0.5) 3(-2.2,0) 4(-2.2,-0.5) 5(-2.2,-1) 6(2.2,-1) 7(2.2,-0.5) 8(2.2,0) 9(2.2,0.5) 10(2.2,1)
W2A2-X
  rect 0.5x0.75 smd: 1(-0.5,-0.66) 2(0.5,-0.66) 3(0.5,0.66) 4(-0.5,0.66)
WQFN-HR6_RZG_TEX
  rect 0.61x0.254 smd: 1(-0.406,0.5) 2(-0.406,0) 3(-0.406,-0.5) 4(0.406,-0.5) 5(0.406,0) 6(0.406,0.5)
WSON-10-1EP_2x3mm_P0.5mm_EP0.84x2.4mm
  rrect 0.68x0.97 smd: (0,-0.6) (0,0.6)
  rrect 0.75x0.25 smd: 1(-1,1) 2(-1,0.5) 3(-1,0) 4(-1,-0.5) 5(-1,-1) 6(1,-1) 7(1,-0.5) 8(1,0) 9(1,0.5) 10(1,1)
  rect 0.84x2.4 smd: 11(0,0)

## Nets
+3V3: C103.1 C104.1 C107.1 R34.1 R35.1 RN17.3 U28.20 U29.6 U29.10 U31.2 U31.7
+3V3_CORE: C13.1 C14.1 C15.1 C16.1 C17.1 C18.1 C19.1 C21.2 C22.2 C24.1 C27.1 C35.1 C39.1 C97.1 C98.1 C99.1 C100.1 C106.1 C108.2 CN1.1 CN1.2 FB1.1 J6.4 R2.1 R31.1 R32.1 RN6.1 RN6.2 RN7.1 RN7.2 RN8.5 RN8.6 RN8.7 RN9.1 RN9.2 RN10.1 RN10.2 RN17.1 SW1.2 SW2.2 U3.1 U4.11 U4.28 U4.50 U4.73 U4.75 U4.100 U7.3 U8.3 U25.20 U26.6 U26.10 U27.1 U27.6 U30.2 U30.7 U32.5 X1.4 X2.1 X2.4
/3V3_1: C61.1 J9.11 U18.10
/3V3_2: C65.2 J9.12 U18.6
/3V3_3: C67.1 J9.13 U19.10
/3V3_4: C71.2 J9.14 U19.6
/3V3_5: C73.1 J9.15 U20.10
/3V3_6: C77.2 J9.16 U20.6
/3V3_7: C79.1 J9.17 U21.10
/3V3_8: C83.2 J9.18 U21.6
/3V3_9: C90.2 J9.19 U23.6
/3V3_10: C86.1 J9.20 U23.10
/3V3_EPS_FLASH: C84.1 C96.2 R27.1 R28.1 RN13.1 U22.8 U24.6
/3V3_EPS_MRAM: C28.1 C92.1 RN13.2 U5.3 U5.7 U5.8 U24.10
/BATTERY_1/VBAT: F1.1 U11.4 U11.5
/BATTERY_2/VBAT: F2.1 U12.4 U12.5
/I2C Power Switches 3VAUX/VBUS: C62.1 C63.1 C68.1 C69.1 C74.1 C75.1 C80.1 C81.1 C105.1 R35.2 U18.1 U18.3 U18.5 U19.1 U19.3 U19.5 U20.1 U20.3 U20.5 U21.1 U21.3 U21.5 U29.8 U29.9
/I2C Power Switches 3VCORE/3V3_METERED: C87.1 C88.1 C93.1 C94.1 C101.1 R32.2 U23.1 U23.3 U23.5 U24.1 U24.3 U24.5 U26.8 U26.9
/I2C Power Switches 3VCORE/VBUS_METERED: C3.1 C4.1 C9.1 C10.1 C102.1 R33.2 U1.1 U1.3 U1.5 U2.1 U2.3 U2.5 U27.8 U27.9
/INTERBOARD_CONNECTOR/3V3_11: J9.21
/INTERBOARD_CONNECTOR/3V3_12: J9.22
/INTERBOARD_CONNECTOR/3V3_13: J9.23
/INTERBOARD_CONNECTOR/3V3_14: J9.24
/INTERBOARD_CONNECTOR/3V3_15: J9.25
GND: BT1.2 BT2.2 BT3.2 C1.2 C2.2 C3.2 C4.2 C5.1 C6.1 C7.2 C8.2 C9.2 C10.2 C11.1 C12.1 C13.2 C14.2 C15.2 C16.2 C17.2 C18.2 C19.2 C20.2 C21.1 C22.1 C23.2 C24.2 C25.2 C26.1 C27.2 C28.2 C29.2 C30.2 C31.2 C32.2 C33.2 C34.1 C35.2 C36.2 C37.2 C38.1 C39.2 C40.2 C41.2 C42.2 C43.2 C44.2 C45.2 C46.2 C47.2 C48.2 C49.2 C50.2 C51.2 C52.2 C53.2 C54.2 C55.2 C56.2 C57.2 C58.1 C59.1 C60.2 C61.2 C62.2 C63.2 C64.1 C65.1 C66.2 C67.2 C68.2 C69.2 C70.1 C71.1 C72.2 C73.2 C74.2 C75.2 C76.1 C77.1 C78.2 C79.2 C80.2 C81.2 C82.1 C83.1 C84.2 C85.2 C86.2 C87.2 C88.2 C89.1 C90.1 C91.2 C92.2 C93.2 C94.2 C95.1 C96.1 C97.2 C98.2 C99.2 C100.2 C101.2 C102.2 C103.2 C104.2 C105.2 C106.2 C107.2 C108.1 C109.2 C110.2 C111.2 CN1.3 CN1.4 CN2.3 CN2.4 D1.1 D2.1 D3.1 D4.1 D5.1 D6.3 D7.3 H1.1 H2.1 H3.1 H4.1 J1.1 J1.2 J1.5 J1.6 J2.1 J2.2 J2.5 J2.6 J3.1 J3.2 J3.5 J3.6 J4.1 J4.2 J4.5 J4.6 J5.1 J6.1 J7.1 J8.1 J9.1 J9.2 J9.9 J9.10 J9.26 J9.27 J9.28 J9.35 J9.36 J10.A1_B12 J10.B1_A12 R3.2 R5.2 R10.2 R11.2 R13.1 R14.1 R16.1 R17.1 R20.2 R24.2 R26.2 R29.2 R30.1 R39.2 RN1.2 RN2.2 RN3.2 RN8.8 RN14.3 RN14.4 RN15.3 RN15.4 RN16.8 TH1.1 TH2.1 U1.8 U1.11 U2.8 U2.11 U3.2 U4.10 U4.19 U4.20 U4.27 U4.49 U4.74 U4.99 U5.4 U5.9 U6.6 U6.7 U7.2 U7.9 U8.2 U8.9 U9.6 U9.7 U10.6 U10.7 U11.16 U11.25 U12.16 U12.25 U13.4 U14.2 U15.4 U16.2 U17.5 U17.9 U18.8 U18.11 U19.8 U19.11 U20.8 U20.11 U21.8 U21.11 U22.4 U23.8 U23.11 U24.8 U24.11 U25.3 U25.4 U25.5 U25.9 U26.1 U26.2 U26.7 U27.2 U27.7 U28.3 U28.4 U28.5 U28.9 U29.1 U29.2 U29.7 U30.1 U30.4 U30.5 U31.1 U31.4 U31.5 U32.2 U33.6 U33.7 X1.2 X2.2
